# KiCad board main-pcb.kicad_pcb (continued)
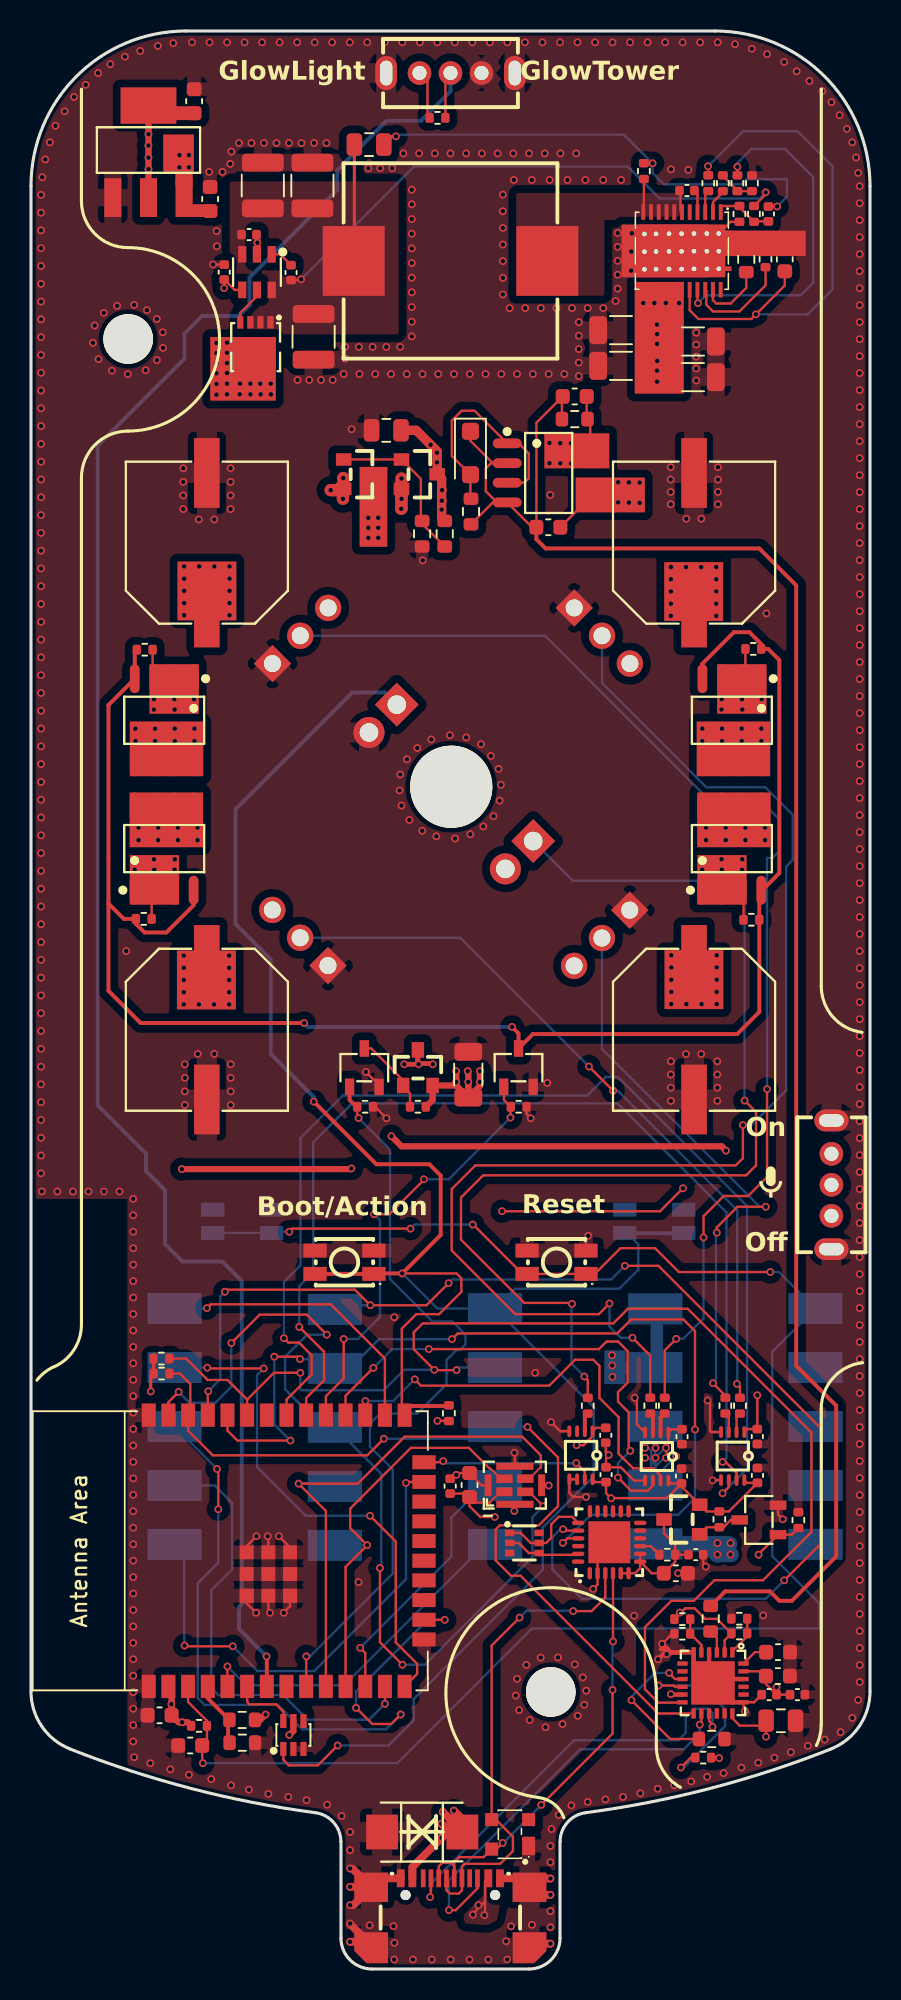
[diagram p0: board, top side]
## Routing (per net, layer and track width the routed paths; a pad name or vN(x,y) marks a point on that pad's centre or on a via; arc(x,y) is an arc through that point) (continued)
source1: length 15
  Top w0.15: U27.3 31.84,95.86 32.12,96.14 32.12,97.75 31.47,98.4 U27.1 28.63,100.5 27.79,100.5 27.16,99.87 27.16,97.58 DZ1.2 28.36,94.87 R16.1
tdi: length 33.5
  Top w0.15: v1(11.38,38.78) 11.43,38.73 v1(15.02,38.73) ; U1.14 24.92,19.03 24.92,19.68 23.54,21.06 23.54,27.57 v1(21.88,29.23)
  Bottom w0.15: v1(15.02,38.73) 14.59,38.3 14.59,32.38 17.74,29.23 v1(21.88,29.23) ; v1(11.38,38.78) 11.37,38.8 U59.1
trip: length 4.4
  Top w0.15: U30.21 44,107.64 44.22,107.42 45.15,107.42 46.15,108.43 R35.1
tx: length 86.2
  Top w0.15: v1(26.95,44.23) 25.53,42.81 v1(21.9,42.81) 20.9,43.81 12.64,43.81 v1(12.51,43.68) ; U1.35 11.41,37.23 v1(11.44,37.26) ; U8.20 34.42,28.27 v1(34.33,28.36) ; v1(48.6,25.07) 51.01,27.47 51.01,34.83 40.49,45.35 v1(38.32,45.35)
  Bottom w0.15: U61.1 19.89,42.81 v1(21.9,42.81) ; v1(48.6,25.07) 47.42,23.88 35.54,23.88 33.64,25.78 33.64,27.84 34.16,28.36 v1(34.33,28.36) ; v1(26.95,44.23) 27.19,44.47 37.44,44.47 v1(38.32,45.35) ; v1(11.44,37.26) 12.22,38.04 12.22,43.39 v1(12.51,43.68)
usb_pd_ic-vcc: length 25.5
  Top w0.15: U26.23 47.12,19.2 C18.1 47.42,18.38 C20.1 ; 45.2,21.44 R23.1 ; R23.1 44.76,21.2 U26.2 ; R23.1 44.26,22.58 43.5,22.58 42.82,23.26 42.22,23.26 R25.1 ; R20.2 44.38,13.63 v1(44.41,13.6) ; C20.1 C19.1 ; C20.1 v1(48.11,18.18)
  In2.Cu w0.15: v1(44.41,13.6) 44.67,13.6 47.16,16.09 47.16,17.69 46.67,18.18 ; 46.67,18.18 v1(48.11,18.18) ; 46.67,18.18 v1(41.87,22.99)
usb_pd_ic.cypd3177-vcc-1: length 1.8
  Top w0.15: C17.1 46.71,20.43 U26.24
usb_pd_ic.cypd3177.ic-power_out: length 2.6
  Top w0.15: R24.2 R23.2 46.22,21.46 45.26,20.5 U26.1
usb_pd_ic.cypd3177.ic-power_out-1: length 2.4
  Top w0.15: U26.5 43.26,20.9 R26.2 R25.2
usb_pd_ic.cypd3177.power_out_5v_load_switch.load_switch_mosfet_1-gate: length 10.5
  Top w0.15: U29.1 U28.1 25.16,96.11 25.16,93.48 R18.2 25.24,93.21 R17.2
usb_pd_ic.cypd3177.power_out_vbus_load_switch.load_switch_mosfet-gnd: length 116.7
  Top w0.15: R16.2 29.81,94.59 U27.4 ; R14.2 34.26,101.38 C14.2 32.62,99.74 32.62,93 C15.2 32.33,92.99 U27.4 ; DZ1.1 28.36,98.56 29.8,97.12 U27.2 29.69,97.12 29.35,96.78 29.35,95.31 30.07,94.59 U27.4
  Top w0.25: R15.2 44.79,24.35 47.69,24.35 48.29,23.75 49.09,23.75 51.96,26.61 51.96,36.33 49.38,38.91 49.38,89.24 47,91.62 33.21,91.62 32.61,92.22 C15.2
usb_to_serial-vcc: length 9.1
  Top w0.15: R5.2 C3.1 ; R5.2 41.57,27.37 40.85,28.09 U11.3 ; R5.2 41.57,26.26 C4.1 40.06,25.52 U8.7 ; U8.5 U8.6 38.98,25.52 39.31,25.85 U8.7 ; U8.7 U8.8
usbserial_power_mosfet_circuit.power_p_mosfet_resistor-drain: length 3
  Top w0.15: U12.3 45.16,28.96 44.69,28.49 R6.1 43.6,28.49 U11.1
vbst: length 1.5
  Top w0.15: C25.2 43.01,114.51 U30.4
vcap: length 1.5
  Top w0.15: C33.2 16.08,110.6 U31.1
vfb: length 4
  Top w0.15: U30.1 44.51,113.71 R32.1 45.71,113.63 R31.2 46.68,112.72 C27.1
vreg: length 33.5
  Top w0.15: v1(43.69,116.27) 43.7,116.26 R33.2 ; C31.1 48.64,108.59 46.48,106.42 43.07,106.42 42.5,106.99 U30.18
  Bottom w0.15: v1(46.78,106.72) 50.11,106.72 51.72,108.33 51.72,116.28 49.47,118.53 45.95,118.53 v1(43.69,116.27)
ws: length 59.4
  Top w0.127: 32.84,30.04 32.84,30.08 32.15,30.77 U13.2
  Top w0.15: v1(23.97,19.62) 22.52,21.07 v1(22.52,25.86) ; v1(9.53,37.22) 8.87,36.56 U1.37 ; v1(12.93,40.37) 14.76,42.2 17.8,42.2 v1(19.09,40.91) ; v1(33.06,29.84) 32.86,30.04 32.84,30.04
  Bottom w0.15: v1(9.53,37.22) 10.23,36.52 11.9,36.52 12.93,37.55 v1(12.93,40.37) ; v1(23.97,19.62) 25.41,19.62 32.36,26.57 32.36,29.14 v1(33.06,29.84) ; v1(22.52,25.86) 22.61,25.95 22.61,31.93 U52.1 18.86,34.93 16.4,37.39 16.4,39.49 17.82,40.91 v1(19.09,40.91)

## Copper pours and planes (outline as drawn; the poured copper is in the pictures)
gnd on Top, Bottom, In1.Cu, In3.Cu: -15.91,-13.74 -18.69,141.11 64.17,144.35 59.78,-25.54
vbus on Top: 29.3,6.08 28.95,4.75 28.34,4.35 27.88,3.63 28,2.93 29.43,2.82 30.06,3.12 30.26,4.07 29.51,5.45
vbus on In4.Cu: -7.67,132.45 59.01,133.49 58.2,-4.01 -8.82,-2.52
vcc on In4.Cu: 36.11,109.38 53.21,109.38 53.26,24.75 36.11,24.75
vcc-1 on Bottom: 38.61,34.33 38.61,31.61 42.02,31.89 42.02,34.3
vcc-1 on In2.Cu: -12.53,-16.47 -15.31,138.38 67.55,141.62 63.16,-28.27
buck_converter_5v.circuit-vcc on Top: 23.73,115.29 23.73,105.43 12.83,105.43 12.83,115.29
ll on Top: 42.14,114.55 42.14,112.81 37,112.81 37,107.92 31.31,107.92 31.31,114.55
pin_header_male_led_strip_1-vcc on In2.Cu: 6.45,80.47 6.4,76.56 14.02,76.56 16.58,77.84 22.94,84.27 23.51,86.57 19.32,89.69 17.76,87.83 18.58,86.38 15.65,82.88 12.33,80.51
pin_header_male_led_strip_2-vcc on In2.Cu: 47.79,76.5 42.23,76.43 37.61,80.52 36.37,83.58 38.33,85.81 39.71,86.01 42.04,83.43 43.69,80.53 47.86,80.42
pin_header_male_led_strip_3-vcc on In2.Cu: 6.45,76.38 6.43,72.47 10.44,72.47 11.23,70.48 15.31,66.81 18.99,70 13.61,76.33 6.51,76.37
pin_header_male_led_strip_4-vcc on In2.Cu: 47.73,76.32 41.67,76.34 37.92,74.27 35.27,71.37 33.05,69.1 31.75,66.15 34.78,62.75 38.24,66.45 37.54,68.17 42.16,72.23 47.81,72.3

## Text on the board
B.Silkscreen: IO4 | IO12 | IO13 | IO14 | IO15 | IO1 | IO3 | IO23 | IO25 | IO26 | IO21 | IO27 | IO22 | IO0 | IO39 | 3.3V | 5V | VBUS | RESET | GND | G | D | 5V | D | 5V | G | B | {{GITHASH}} | bit.ly/4a2aruu | Reset | On | Off | designed / by glowingkitty | Pinout & more: | Boot/Action | GlowLight | GlowTower | Main PCB / v3.0
F.Silkscreen: Reset | Off | GlowLight | Boot/Action | GlowTower | On
User.1: Make sure panelization works well and buttons are not in the way. | Make sure the connectors are correctly oriented with button pcb, / before connecting traces.
